# Altium PCB mb1260.PcbDoc (part 3 of 7) (continued)
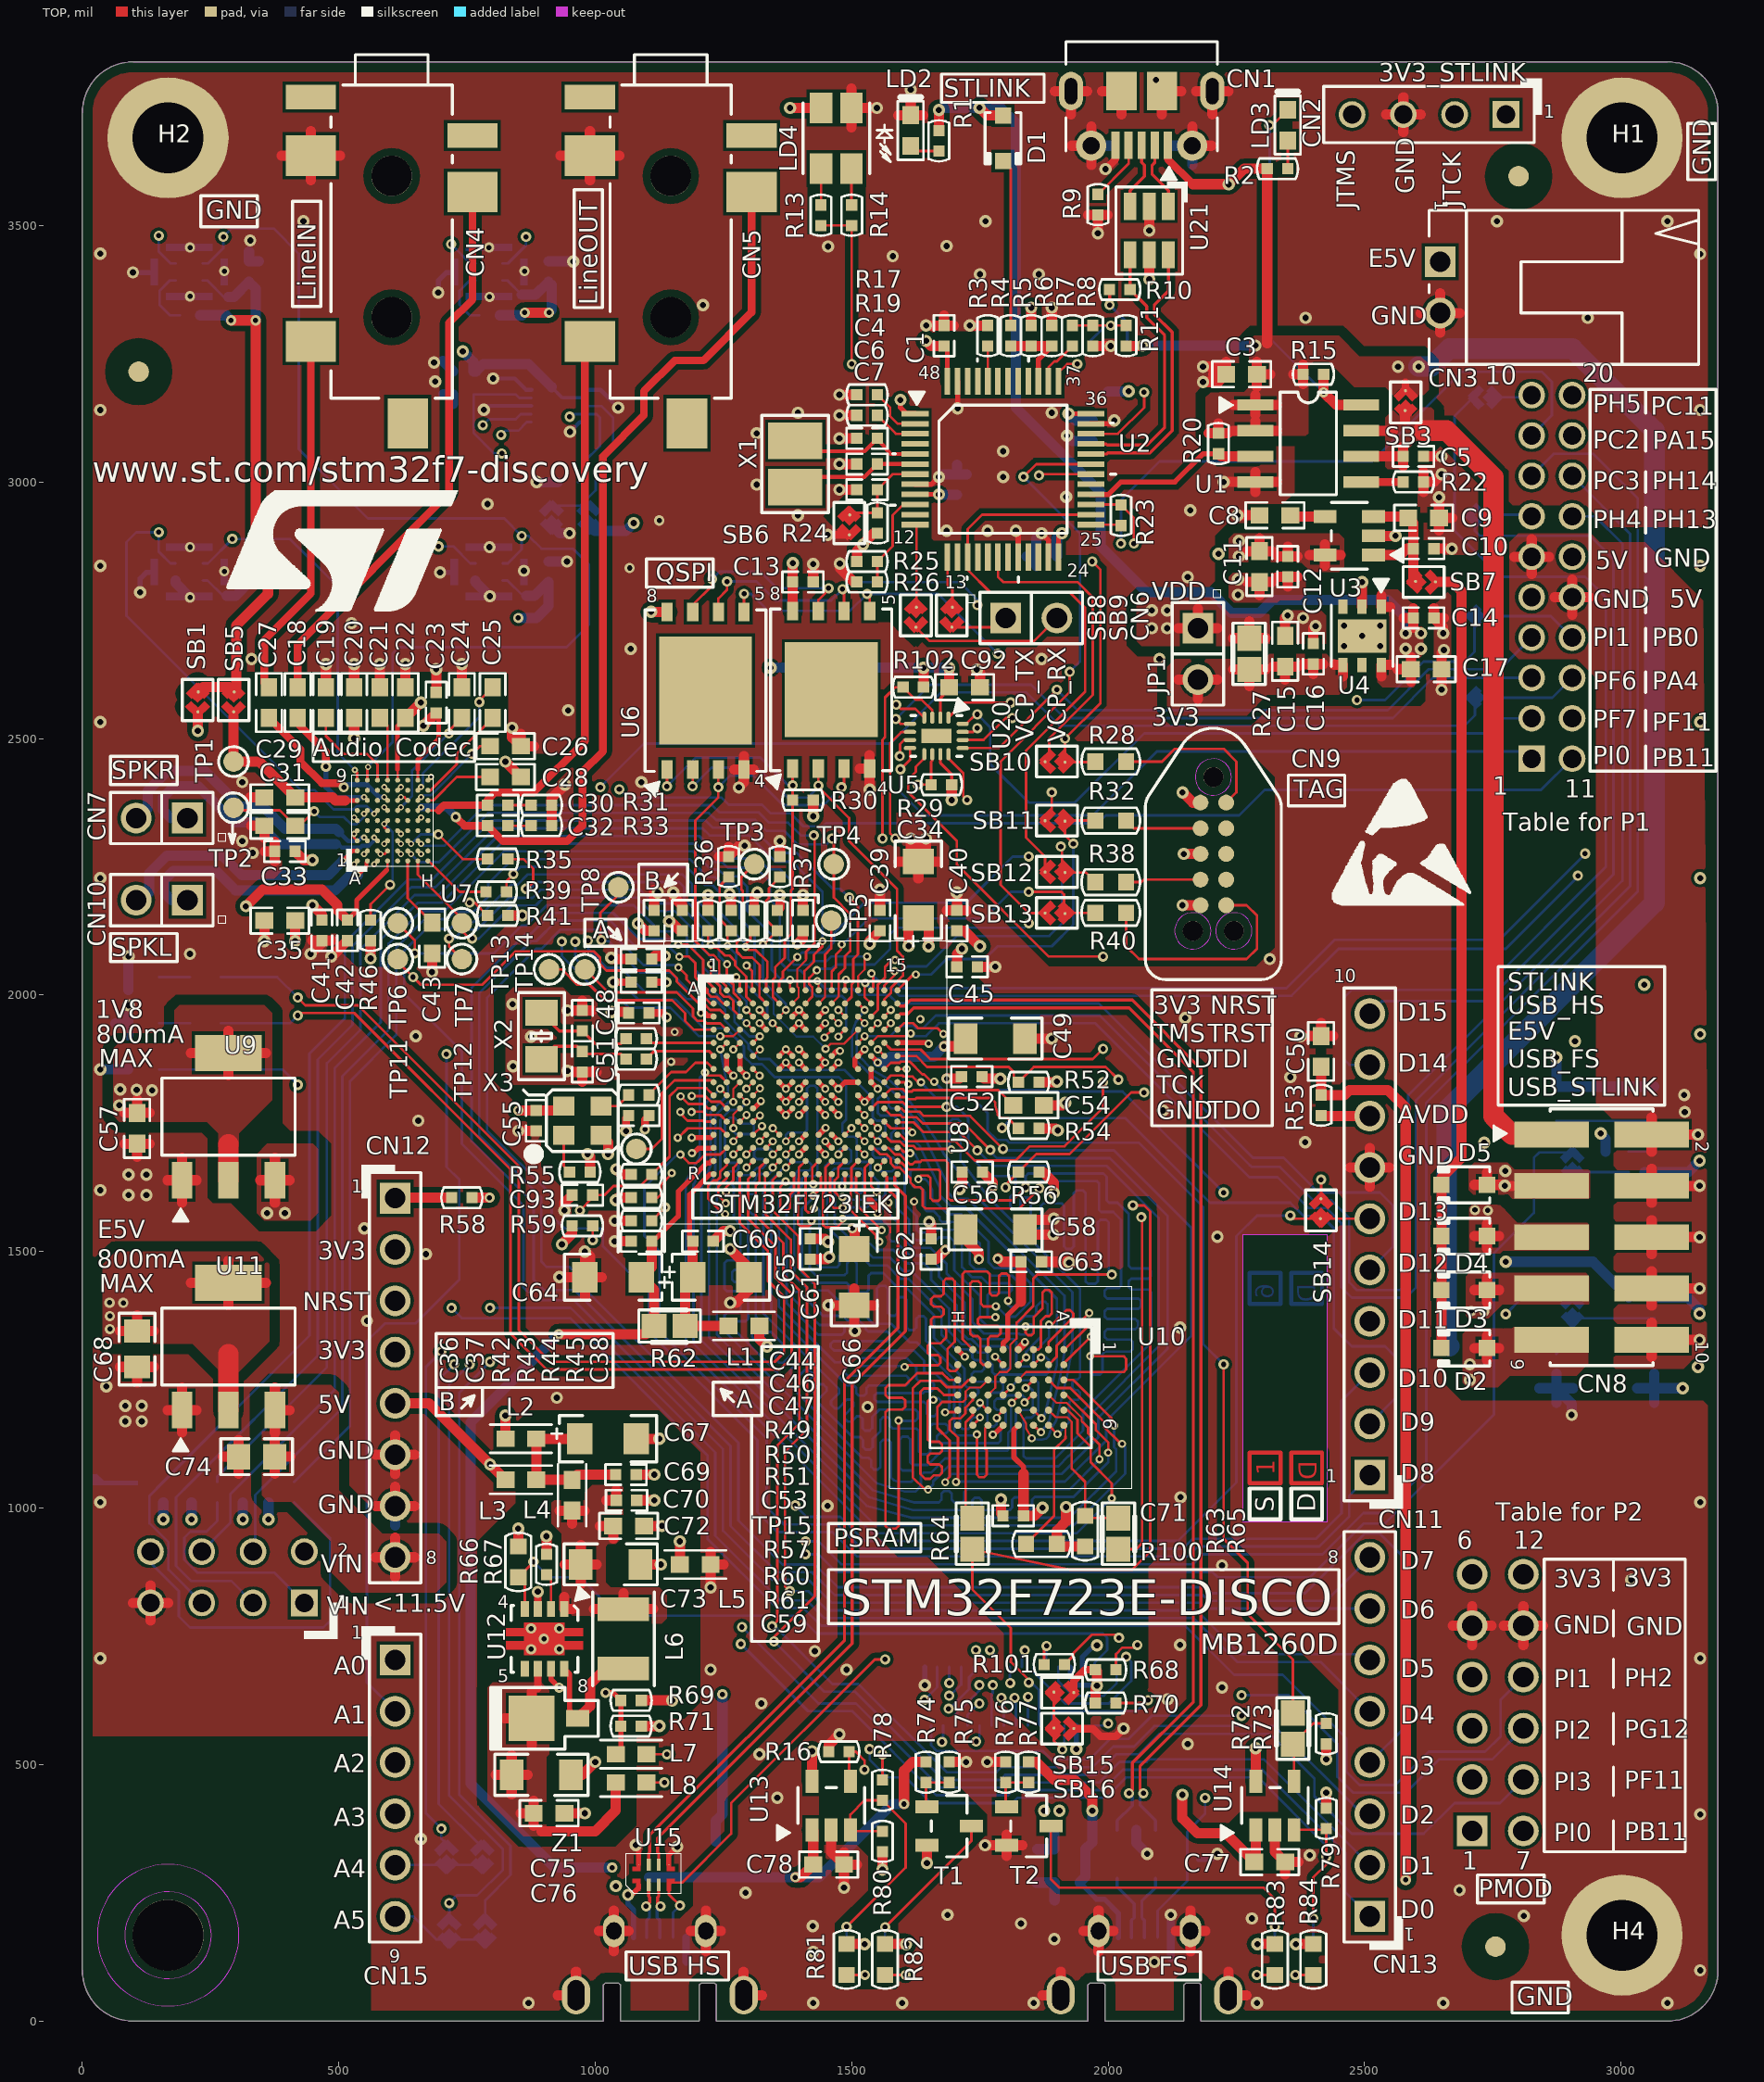
[diagram p0: TOP view]
## Nets (pads, with @x,y where several pads share a name; then routed paths per layer and width w, separated by ;. In a path a pad name is that pad's centre, name@x,y a point inside that pad or via, vN(x,y) a via of type N, cw(c..) or ccw(c..) an arc to the next point about the centre after c; other vN are vias at no path point) (continued)
  other v1: 870,35 1425,35 1598.43,35 1855,35 2290,35 2653.15,35 3090.19,35 3154.01,98.82 2090,115 1425,135 1895,160 1424,185 1830,190 2280,200 2810,205 1687,207 1293,250 2685,255 2393,323 660,355 3154.01,402.97 1355,435 1320,520 2155,540 1324,619 2116,627 2222,650 1225,685 1490,685 35,707.12 3154.01,707.12 1428,721 2140,733 3020,860 2222,888 1453,1004 35,1011.27 3154.01,1011.27 2141,1021 84,1169 116,1169 1531,1197 84,1199 116,1199 925,1215 47,1237 3150,1275 2140,1352 555,1365 670,1495 2213,1529 550,1545 90,1610 125,1610 35,1619.57 90,1650 125,1650 2733,1712 2384,1713 655,1755 2107,1775 2355,1840 946,1852 840,1861 2910,1910 875,1919 650,1920 3154.01,1923.73 2150,1955 839,1982 3045,2020 2315,2070 210,2080 35,2227.88 3154.01,2227.88 332,2277 312,2300 312,2415 1090,2415 35,2532.03 3154.01,2532.03 947,2555 330,2655 1870,2655 2100,2655 1069,2675 2460,2680 2530,2680 2495,2700 2460,2720 2530,2720 525,2725 2380,2735 2253,2780 2253,2810 2155,2815 861,2827 35,2836.18 3154.01,2836.18 794,2873 1685,2905 1765,2905 1395,2935 2160,2945 790.14,2957.06 620,2971 1918,2971 1315,2995 1795,3010 1795,3060 1315,3095 1395,3135 1890,3135 35,3140.33 3154.01,3140.33 687.84,3195.76 685.85,3233.08 2385,3320 2935,3320 1210,3345 1750,3405 1865,3405 1580,3440 3154.01,3444.48 35,3445 1454.06,3459.06 1685,3460 327.42,3470.9 431.19,3508.3 1760.69,3508.3 2757.82,3508.3 3090.19,3508.3 2093.07,3783.89
  other v2: 277,2826 1067,2832.39 210,2873 1125,2925 794,3361 210,3362 277,3411 862,3411 210,3457 793,3457
  other v3: 1571.48,1595.47 1621.44,1597.54 1148,1870 1155,1928 1633.82,1953
LCD-RS_A0: CN17.21 R101.2 | length 79.4
  TOP w5: R101.2@1875,695 1875,726 v2(1880,731)
  BOTTOM w5: CN17.21@1879.02,690.09 1879.02,730.02 v2(1880,731)
LCD_BL: L7.1 U8.L12 | length 2627.5
  TOP w5: L7.1@1100,520 v2(1140,520) ; U8.L12@1512.36,1753.23 v3(1525.22,1740.37)
  L4_SIG w4: v2(1140,520) 1159,501 1502,501 1511,510 1530,510 1569,471 1806,471 1920,585 1961.98,585 2019.98,643 2051.02,643 2120,711.98 2120,1290 2100,1310 2100,1465 1905,1660 1815,1660 1808,1667 1690.83,1667 1641.83,1716 1594.98,1716 1556.61,1754.37 1539.22,1754.37 v3(1525.22,1740.37)
LCD_NE: CN17.22 R70.2 U8.C10 | length 2137
  TOP w4: U8.C10@1461.14,1957.9 v3(1473.97,1945.07)
  TOP w5: R70.2@2015,620 2071.88,620 v2(2077.48,625.6)
  L4_SIG w4: v3(1473.97,1945.07) 1474.04,1945 1474.04,1941 1491,1924.04 1491,1857 1576,1772 1655,1772 1667,1760 1804,1760 1877,1687 1920,1687 2160,1447 2160,1064 2174,1050 2174,665.47 2169,660.47 2111.96,660.47 2077.29,625.79 2077.09,625.6 v2(2077.48,625.6)
  BOTTOM w5: CN17.22@1890.83,575.91 1890.83,595.83 1899,604 2055.88,604 v2(2077.48,625.6)
LCD_PSRAM_D0: CN17.18 U8.M14 U10.B6 | length 2098.1
  TOP w5: U8.M14@1563.54,1727.64 1576.63,1714.55 1594.31,1714.55 1601.86,1707 1602.26,1707 1603.27,1706 1620.01,1706 1626.01,1700 1693,1700 v3(1694,1699) ; U10.B6@1883.82,1161.18 v3(1901,1144)
  L4_SIG w4: v2(1843.58,631.95) 1843.58,633 1848.58,638 1879,638 1884,643 1884,651 1879,656 1866.69,656 1862,660.69 1862,667.31 1866.69,672 1915,672 1943,700 1943,773 1948,778 1992,778 1997,783 1997,983 1992,988 1975,988 1970,993 1970,1050 1951,1069 1951,1123 1956,1128 1966,1128 1971,1133 1971,1212 1966,1217 1926,1217 1921,1212 1921,1204 1926,1199 1951,1199 1956,1194 1956,1185.69 1951.31,1181 1924.69,1181 1920,1176.31 1920,1169.69 1924.69,1165 1952,1165 1957,1160 1957,1149 1952,1144 v3(1901,1144)
  BOTTOM w5: v3(1694,1699) 1691,1702 1691,1753 1696,1758 1707,1758 1712,1753 1712,1678 1766.29,1606.3 1945,1427.59 1945,1255 1940,1250 1935,1250 1930,1245 1930,1235 1935,1230 1940,1230 1945,1225 1945,1215 1941,1211 1929,1211 1924,1206 1924,1167 v3(1901,1144) ; CN17.18@1843.58,575.91 v2(1843.58,631.95)
LCD_PSRAM_D1: CN17.17 U8.L14 U10.C5 | length 2157.7
  TOP w5: U8.L14@1563.54,1753.23 1576.63,1740.14 1614,1740.14 1618,1736.14 v3(1618,1732) ; U10.C5@1854.29,1190.71 v3(1869.85,1175.15)
  L4_SIG w4: v2(1837.53,722.62) 1837.53,736.55 1854.98,754 1861,754 1865,750 1865,740 1855,730 1855,719 1860,714 1906,714 1911,709 1911,704 1916,699 1925,699 1930,704 1930,730 1925,735 1899.98,735 1895,739.98 1895,747.02 1899.98,752 1924,752 1931,759 1931,785 1936,790 1980,790 1985,795 1985,872 1981,876 1943,876 1939,880 1939,888 1943,892 1977.31,892 1982,896.69 1982,903.31 1977.31,908 1943,908 1939,912 1939,920 1943,924 1978.31,924 1983,928.69 1983,935.31 1978.31,940 1943,940 1939,944 1939,952 1943,956 1979,956 1984,961 1984,969 1979,974 1963,974 1958,979 1958,1040 1939,1059 1939,1064.02 ; v3(1869.85,1175.15) 1879,1175.15 1884,1170.15 1884,1134 1889,1129 1934,1129 1939,1124 1939,1073.98 ; 1938.99,1064.03 1938.99,1073.97
  BOTTOM w5: v3(1618,1732) 1614,1728 1604,1728 1600,1732 1600,1768 1589,1779 1577,1779 1572,1784 1572,1798 1567,1803 1556,1803 1551,1798 1551,1770 1556,1765 1582,1765 1587,1760 1587,1740 1577,1730 1577,1719 1582,1714 1624.17,1714 1632.92,1705.25 1640,1690.25 1672,1622.46 1672,1609.2 1693.7,1587.5 1720.28,1587.5 1900,1407.78 1900,1278.77 1875.97,1180.15 1875,1180.15 1870,1175.15 v3(1869.85,1175.15) ; CN17.17@1831.77,690.09 1831.77,713.77 1837.53,719.53 v2(1837.53,722.62)
LCD_PSRAM_D2: CN17.16 U8.B12 U10.C6 | length 2164.5
  TOP w5: U8.B12@1512.36,1983.54 1512.46,1983.54 v3(1525.14,1970.86) ; U10.C6@1854.29,1161.18 1854.82,1161.18 1868,1148 v3(1869,1148)
  L4_SIG w4: v2(1817.48,630) 1826,638.52 1826,679 1831,684 1897.02,684 1902,688.98 1902,696.02 1897.02,701 1825.53,701 1820.53,706 1820.53,736.53 1850,766 1913.08,766 1918,770.92 1918,781 1913,786 1858,786 1853,791 1853,800 1858,805 1965,805 1970,810 1970,820 1965,825 1951,825 1946,830 1946,840 1951,845 1967,845 1972,850 1972,859 1967,864 1931,864 1926,869 1926,958.83 1942,974.83 1942,1038 1926,1054 1926,1111 1921,1116 1877,1116 1872,1121 1872,1145 v3(1869,1148)
  BOTTOM w5: v3(1525.14,1970.86) 1508.24,1947.28 1501,1927 1501,1880 1536,1845 1562.66,1827.8 1588.5,1803.5 1627.26,1751.16 1629.88,1747.34 1687,1631.22 1687,1631 1687.01,1626.79 1687,1615.42 1699.92,1602.5 1726.5,1602.5 1915,1414 1915,1304 1906.27,1256.87 1886.09,1173.36 1880.25,1162.74 v3(1869,1148) ; v2(1817.48,630) 1817.48,625 1819.96,622.52 CN17.16@1819.96,575.91
LCD_PSRAM_D3: CN17.15 U8.C12 U10.D5 | length 2160.4
  TOP w4: U10.D5@1824.76,1190.71 1840,1165 1840,1155 v3@1848.68,1140
  TOP w5: U8.C12@1512.36,1957.95 1525,1945.31 1525,1945.18 v3(1525.09,1945.09) ; v3@1848.68,1140 v3(1851,1136)
  L4_SIG w4: v2(1809,659.09) 1808.53,659.56 1808.53,741.53 1841,774 1841,815 1846,820 1928.31,820 1933,824.69 1933,831.31 1928.31,836 1846,836 1841,841 1841,847 1846,852 1908,852 1913,857 1913,969 1908,974 1857,974 1852,979 1852,1015 1857,1020 1909,1020 1914,1025 1914,1065 1910,1069 1850.69,1069 1846,1073.69 1846,1080.31 1850.69,1085 1910,1085 1914,1089 1914,1098 1909,1103 1851,1103 1846,1108 1846,1131 v3(1851,1136)
  BOTTOM w5: v3(1525.09,1945.09) 1510,1923.35 1510,1885 1543.05,1851.95 1570.61,1836.39 1595.5,1814.5 1601,1809 1635.82,1761.38 1663.37,1719.33 1680.7,1689.09 1729.37,1629.32 1753.5,1597.5 1930,1421 1930,1310 1919.99,1257.08 1899.06,1171.52 1889.5,1154.5 1886.75,1148.25 1884,1140 1879.5,1135.5 1871,1133.12 1862.76,1133.06 v3(1851,1136) ; CN17.15@1808.15,690.09 1808.15,659.94 v2(1809,659.09)
LCD_PSRAM_D4: CN17.14 U8.R8 U10.E5 | length 2071.6
  TOP w5: U8.R8@1410,1650.87 1410,1581 1415,1576 1421,1576 1426,1581 v3(1426,1584) ; v3(1782.71,1175.48) 1782.71,1178.18 U10.E5@1795.24,1190.71
  L4_SIG w4: v3(1782.71,1175.48) 1828,1175.48 1833,1170.48 1833,1059 1838,1054 1897,1054 1902,1049 1902,1037 1897,1032 1840,1032 1835,1027 1835,964 1840,959 1895,959 1900,954 1900,946 1896,942 1861.69,942 1857,937.31 1857,930.69 1861.69,926 1896,926 1900,922 1900,914 1896,910 1834.69,910 1830,905.31 1830,898.69 1834.69,894 1896,894 1900,890 1900,882 1896,878 1834,878 1829,873 1829,779 1792,742 v2(1792,630)
  BOTTOM w5: v3(1426,1584) 1433,1584 1437,1580 1437,1534 1433,1530 1433,1475 1439,1469 1471,1469 1476,1474 1476,1492 1481,1497 1498.78,1497 1511.21,1497.01 1511.56,1497 1535.56,1473 1568.68,1473 1594.68,1447 1610.46,1447 1675,1382.46 1675,1338.22 1675.01,1338.06 1683.79,1329.28 1683.94,1329.28 1690.01,1323.21 1690.01,1323.05 1703.71,1309.35 1726.91,1309.35 1735,1301.26 1735,1300.98 1735.12,1300.86 1735.12,1292.88 1740,1288 1753,1288 1758,1283 1758,1271 1753,1266 1739,1266 1734,1261 1734,1251 1739,1246 1790,1246 1795,1241 1795,1230 1790,1225 1769.5,1225 1764.5,1220 1764.5,1164 1769.5,1159 1777.71,1159 1782.71,1164 v3(1782.71,1175.48) ; v2(1792,630) 1796.34,625.66 CN17.14@1796.34,575.91
LCD_PSRAM_D5: CN17.13 U8.P8 U10.F5 | length 2067.9
  TOP w5: U8.P8@1410,1676.46 1397,1663.46 1397,1642.59 1396.5,1642.09 1396.5,1612.72 1395,1611.22 1395,1554 1400,1549 1416.5,1549 1421.5,1554 v3(1421.5,1560) ; v3(1750,1205) 1764.29,1190.71 U10.F5@1765.71,1190.71
  L4_SIG w4: v3(1750,1205) 1750,1215 1755,1220 1896,1220 1901,1215 1901,1195 1896,1190 1773,1190 1768,1185 1768,1164.62 1773,1159.62 1816,1159.62 1821,1154.62 1821,968 1816,963 1787,963 1782,958 1782,948 1787,943 1840.02,943 1845,938.02 1845,930.98 1840.02,926 1821,926 1816,921 1816,840 1811,835 1787,835 1783,831 1783,823 1787,819 1810,819 1815,814 1815,806 1810,801 1785,801 1780,796 1780,787 1785,782 1797,782 1802,777 1802,769 1797,764 1785,764 1780,759 1780,728 1775,723 v2(1769.53,723)
  BOTTOM w5: v3(1421.5,1560) 1418,1556.5 1418,1465.44 1429.44,1454 1486,1454 1491,1459 1491,1477 1496,1482 1505,1482 1510,1477 1510,1425 1515,1420 1528,1420 1533,1425 1533,1453 1538,1458 1561.46,1458 1587.46,1432 1604.24,1432 1660,1376.24 1660,1332 1720,1272 1720,1240 1725,1235 1742,1235 1747,1230 1747,1224 1742,1219 1726,1219 1721,1214 1721,1197 1726,1192 1745,1192 1750,1197 v3(1750,1205) ; v2(1769.53,723) 1784.53,708 CN17.13@1784.53,690.09
LCD_PSRAM_D6: CN17.12 U8.P9 U10.F6 | length 1944.1
  TOP w5: v3(1425.09,1631) 1423.09,1633 1423.09,1663.96 U8.P9@1435.59,1676.46 ; v3(1744,1143.5) 1744,1065 1749,1060 1758,1060 1763,1065 1763,1113 1760,1116 1760,1155.47 U10.F6@1765.71,1161.18
  L4_SIG w4: v3(1744,1143.5) 1741,1140.5 1741,1128 1746,1123 1755.02,1123 1760,1118.02 1760,1110.98 1755.02,1106 1746,1106 1741,1101 1741,1093 1746,1088 1755,1088 1758,1085 1758,928 1753,923 1717,923 1712,918 1712,909 1716,905 1754,905 1758,901 1758,893 1754,889 1716,889 1712,885 1712,877 1716,873 1754,873 1758,869 1758,861 1754,857 1716,857 1712,853 1712,845 1716,841 1754,841 1758,837 1758,829 1754,825 1716,825 1712,821 1712,724 1730,706 1774,706 1779,701 1779,659 v2(1775,655)
  BOTTOM w5: v3(1425.09,1631) 1425.09,1629.6 1410.5,1615.01 1410.5,1613.94 1388,1591.44 1388,1453 1417.01,1423.99 1454.23,1423.99 1498.22,1380 1508.78,1380 1521.21,1380.01 1542.22,1359 1577,1359 1613,1323 1626.56,1323 1700,1249.56 1700,1146.5 1705,1141.5 1742,1141.5 v3(1744,1143.5) ; CN17.12@1772.72,575.91 1772.72,636.72 1775,639 v2(1775,655)
LCD_PSRAM_D7: CN17.11 U8.R9 U10.G6 | length 2131.4
  TOP w5: v3(1425,1609) 1439.68,1623.68 1439.68,1646.78 U8.R9@1435.59,1650.87 ; U10.G6@1736.18,1161.18 1750,1175 v3(1750,1176.74)
  L4_SIG w4: v2(1742,723) 1730,723 1725,728 1725,736 1730,741 1760,741 1765,746 1765,755 1760,760 1730,760 1725,765 1725,772 1730,777 1761.02,777 1766,781.98 1766,789.02 1761.02,794 1728.98,794 1724,798.98 1724,806.02 1728.98,811 1765,811 1770,816 1770,824.02 ; v3(1750,1176.74) 1750,1165 1760,1155 1760,1138 1769,1129 1803,1129 1808,1124 1808,1113 1803,1108 1774.69,1108 1770,1103.31 1770,1096.69 1774.69,1092 1804.31,1092 1809,1087.31 1809,1080.69 1804.31,1076 1776.69,1076 1772,1071.31 1772,1064.69 1776.69,1060 1804.31,1060 1809,1055.31 1809,1048.69 1804.31,1044 1776,1044 1771,1039 1771,1000 1776,995 1804.31,995 1809,990.31 1809,983.69 1804.31,979 1774,979 1770,975 1770,935 1774,931 1796.31,931 1801,926.31 1801,919.69 1796.31,915 1774,915 1770,911 1770,903 1774,899 1797.31,899 1802,894.31 1802,887.69 1797.31,883 1774,883 1770,879 1770,871 1774,867 1797.31,867 1802,862.31 1802,855.69 1797.31,851 1774,851 1770,847 1770,833.98 ; 1770.01,824.03 1770.01,833.97
  BOTTOM w5: v3(1425,1609) 1425,1605 1403,1583 1403,1459.22 1423.22,1439 1490,1439 1495,1434 1495,1410 1500,1405 1521,1405 1526,1400 1526,1396.44 1532.44,1390 1544,1390 1549,1395 1549,1428 1554,1433 1565.24,1433 1571,1427.24 1571,1380 1576,1375 1584,1375 1589,1380 1589,1406 1594,1411 1602.01,1411 1607.01,1406 1607.01,1352 1612.01,1347 1621,1347 1626,1352 1626,1369 1631,1374 1640,1374 1645,1369 1645,1338.22 1644.99,1325.79 1711,1259.78 1711,1159 1716,1154 1727,1154 1732,1159 1732,1171.74 1737,1176.74 v3(1750,1176.74) ; v2(1742,723) 1760.91,704.09 CN17.11@1760.91,690.09
LCD_PSRAM_D8: CN17.10 U8.P10 U10.B1 | length 2067
  TOP w5: U8.P10@1461.18,1676.46 1448.68,1663.96 1448.68,1619.95 1444,1615.27 1444,1552.25 1448.75,1547.5 1471.64,1547.5 1482.5,1558.36 v3(1482.5,1564) ; U10.B1@1883.82,1308.82 1883.82,1323.82 1931.96,1371.96 1931.96,1379.04 1925.54,1385.46 1918.46,1385.46 1890.36,1357.36 v3(1884.5,1357.36)
  L4_SIG w4: v2(1742.49,544.95) 1826.95,544.95 1998,716 1998,748 2003.98,753.98 2022,772.02 2022,1109 2020.85,1110.15 2020.78,1110.15 2012,1118.93 2012,1119 1996,1135 1996,1237 1884.5,1348.5 v3(1884.5,1357.36)
  BOTTOM w5: v3(1482.5,1564) 1482.5,1565 1487.5,1570 1507.65,1570 1519.65,1558 1564.79,1558 1574.13,1548.66 1574.13,1523.22 1577.55,1519.8 1585.54,1519.8 1613.34,1492 1647.53,1492 1670,1469.53 1670,1451.12 1720,1401.12 1720,1358.78 ; 1720.01,1358.77 1720.01,1356.34 1747.08,1329.27 1815.73,1329.27 1821,1324 1821,1281 1826,1276 1849.5,1276 1854.5,1281 1854.5,1302.58 1884.5,1332.58 v3(1884.5,1357.36) ; v2(1742.49,544.95) 1749.09,551.55 CN17.10@1749.09,575.91
LCD_PSRAM_D9: CN17.9 U8.R10 U10.C1 | length 1904
  TOP w5: U8.R10@1461.18,1650.87 1457.68,1647.37 1457.68,1612.54 1459,1611.22 1459,1591 1465,1585 v3(1482.5,1585) ; v3(1839,1354) 1839,1341.69 1843.69,1337 1850.31,1337 1855,1341.69 1855,1372 1872,1389 1872,1420 1877,1425 1885,1425 1890,1420 1890,1379 1885,1374 1878,1374 1869,1365 1869,1313.82 1864,1308.82 U10.C1@1854.29,1308.82
  L4_SIG w4: v2(1689,609) 1697,617 1697.05,617 1723,642.95 1723,674 1687,710 1687,979 1692,984 1726,984 1731,989 1731,1068 1717,1082 1717,1221 1761,1265 1761,1297 1818,1354 v3(1839,1354)
  BOTTOM w5: v3(1482.5,1585) 1483.5,1586 1530.22,1586 1534.69,1590.47 1555.92,1590.47 1589.13,1557.26 1589.13,1537.43 1619.56,1507 1653.75,1507 1685,1475.75 1685,1457.34 1735,1407.34 1735,1365 1735.01,1362.56 1757.57,1340 1826.1,1340 1828,1338.1 1849,1338.1 1854,1343.1 1854,1353 1849,1358 1843,1358 v3(1839,1354) ; v2(1689,609) 1691,609 1729,647 1729,670 1737.28,678.28 CN17.9@1737.28,690.09
LCD_PSRAM_D10: CN17.8 U8.N11 U10.C2 | length 2042
  TOP w5: v3(1474.04,1689.32) U8.N11@1486.77,1702.05 ; U10.C2@1854.29,1279.29 1868.58,1293.58 v3(1869,1293.58)
  L4_SIG w4: v2(1749,619) 1749,602 1756,595 1860,595 1958.5,693.5 1958.5,761 1963.5,766 1999,766 2010,777 2010,996 2005,1001 1990,1001 1985,1006 1985,1051.86 1990,1056.86 2006,1056.86 2010,1060.86 2010,1068.86 2006,1072.86 1968,1072.86 1964,1076.86 1964,1110 1969,1115 1979,1115 1984,1120 1984,1232 1922.42,1293.58 v3(1869,1293.58)
  BOTTOM w5: v3(1474.04,1689.32) 1474.04,1696 1479.04,1701 1494,1701 1499,1696 1499,1677 1494,1672 1454,1672 1449,1667 1449,1613 1452,1610 1452,1548.58 1487.58,1513 1487.8,1512.8 1516.98,1512.8 1541.78,1488 1574.9,1488 1600.9,1462 1616.68,1462 1690,1388.68 1690,1346.34 1690.01,1343.9 1714.41,1319.5 1729.5,1319.5 1746,1303 1762,1303 1765.18,1299.82 1765.18,1288.84 1774,1280.02 1774,1265 1779,1260 1879,1260 1884,1265 1884,1288.58 1879,1293.58 v3(1869,1293.58) ; CN17.8@1725.47,575.91 1725.47,596.47 1748,619 v2(1749,619)
LCD_PSRAM_D11: CN17.7 U8.P11 U10.D2 | length 2072.4
  TOP w5: v3(1482.1,1606.05) 1476.95,1606.05 1466.68,1616.32 1466.68,1638.69 1473.68,1645.69 1473.68,1663.37 U8.P11@1486.77,1676.46 ; U10.D2@1824.76,1279.29 1838.97,1293.5 v3(1840,1293.5)
  L4_SIG w4: v2(1690,634) 1708,652 1708,670 1675,703 1675,992 1680,997 1713.31,997 1718,1001.69 1718,1010 1713,1015 1684,1015 1679,1020 1679,1028 1684,1033 1714,1033 1719,1038 1719,1063 1714,1068 1682,1068 1677,1073 1677,1154 1682,1159 1700,1159 1705,1164 1705,1229 1746,1270 1746,1299 1818,1371 1845,1371 1856,1360 1856,1311.34 1840,1295.34 v3(1840,1293.5)
  BOTTOM w5: v3(1482.1,1606.05) 1487.15,1601 1554.51,1601 1565.23,1611.72 1565.23,1637.33 1570.23,1642.33 1583.23,1642.33 1586.95,1638.61 1586.95,1601.77 1587.23,1601.49 1587.23,1586.41 1612,1561.64 1612,1535.78 1625.78,1522 1664.31,1522 1669.8,1527.49 1691.51,1527.49 1700,1519 1700,1463.56 1750,1413.56 1750,1368.79 1763.79,1355 1818.78,1355 1837.77,1373.99 1841.21,1373.99 1854.97,1374 1859.97,1379 1859.97,1392.75 1869.61,1402.39 1876.7,1402.39 1881.7,1397.39 1881.7,1376.7 1869,1364 1869,1333.71 1840,1304.71 v3(1840,1293.5) ; v2(1690,634) 1692,634 1713.66,655.66 CN17.7@1713.66,690.09
LCD_PSRAM_D12: CN17.6 U8.R11 U10.E2 | length 2051.3
  TOP w5: v3(1481.35,1627.04) 1486.77,1632.46 U8.R11@1486.77,1650.87 ; v3(1779.68,1294.85) U10.E2@1795.24,1279.29
  L4_SIG w4: v2(1749,655) 1741,655 1736,660 1736,669 1741,674 1760,674 1765,679 1765,689 1760,694 1724,694 1699,719 1699,931 1704,936 1741,936 1746,941 1746,949 1741,954 1704,954 1699,959 1699,967 1704,972 1739,972 1744,977 1744,1072 1729,1087 1729,1213 1757,1241 1792,1241 1797,1246 1797,1255 1792,1260 1778.98,1260 1774,1264.98 1774,1272.02 1778.98,1277 1818,1277 1823,1282 1823,1316 1818,1321 1809,1321 1804,1316 1804,1299.85 1799,1294.85 v3(1779.68,1294.85)
  BOTTOM w5: v3(1481.35,1627.04) 1481.35,1642 1486.35,1647 1498,1647 1503,1642 1503,1619 1508,1614 1518,1614 1523,1619 1523,1656.55 1518,1661.55 1467,1661.55 1462,1656.55 1462,1620 1467,1615 1467,1554.8 1494,1527.8 1523.2,1527.8 1548,1503 1581.12,1503 1607.12,1477 1641.31,1477 1655,1463.31 1655,1444.9 1705,1394.9 1705,1350.13 1725.86,1329.27 1733.73,1329.27 1748,1315 1803,1315 1809,1309 1809,1275 1804,1270 1794,1270 1789,1275 1789,1289.85 1784,1294.85 v3(1779.68,1294.85) ; CN17.6@1701.85,575.91 1701.85,596.85 1749,644 v2(1749,655)
LCD_PSRAM_D13: CN17.5 U8.P15 U10.F2 | length 1837.2
  TOP w5: U8.P15@1589.13,1676.46 1592.63,1672.96 1597.45,1672.96 1610.7,1659.71 1668.69,1659.71 1672.53,1655.87 1672.53,1602.84 1668.69,1599 1658.61,1599 1653.61,1604 1653.61,1643 1648.61,1648 1635,1648 1630,1643 v3(1630,1641) ; U10.F2@1765.71,1279.29 1756,1279.29 1751,1284.29 1751,1330 1746,1335 1736,1335 1731,1340 1731,1438 1735,1442 1747,1442 1752,1437 1752,1398 1757,1393 v3(1781,1393)
  L4_SIG w4: v2(1690.04,659) 1690.04,667.96 1662,696 1662,1027.78 1664,1029.78 1664,1166 1669,1171 1691,1171 1696,1176 1696,1236 1735,1275 1735,1306 1798,1369 1798,1385 1790,1393 v3(1781,1393)
  BOTTOM w5: v3(1630,1641) 1643,1641 1649.93,1634.07 1657,1619.09 1657,1602.98 1687.48,1572.5 1714.06,1572.5 1767,1519.56 1767,1479 1767.18,1478.82 1767.18,1478.43 1777.43,1468.18 1777.82,1468.18 1778,1468 1818.56,1468 1849,1437.56 1849,1403 1819,1373 1803,1373 1783,1393 v3(1781,1393) ; v2(1690.04,659) CN17.5@1690.04,690.09
LCD_PSRAM_D14: CN17.4 U8.P14 U10.F1 | length 1877.4
  TOP w5: v3(1550.74,1663.54) 1550.74,1663.66 U8.P14@1563.54,1676.46 ; U10.F1@1765.71,1308.82 1765.71,1330 1770.71,1335 1785,1335 1790,1340 1790,1350 1785,1355 1751,1355 1746,1360 1746,1368 1750,1372 v3(1780,1372)
  L4_SIG w4: v2(1676,544) 1659,561 1659,626 1663,630 1663,673 1658,678 1638,678 1633,683 1633,692 1637,696 1643.31,696 1648.31,701 1648.31,707 1643.31,712 1637,712 1633,716 1633,1043 1651,1061 1651,1180 1676,1205 1676,1247 1701,1272 1701,1298 1775,1372 v3(1780,1372)
  BOTTOM w5: v3(1550.74,1663.54) 1550.74,1663 1557.74,1656 1578,1656 1587,1665 1587,1677 1581,1683 1545.98,1683 1541,1687.98 1541,1695.02 1545.98,1700 1594.99,1700 1599.5,1695.49 1599.5,1685.49 1607.99,1677 1608,1667.01 1603.34,1662.35 1603.34,1592.31 1627,1568.65 1627,1542 1632,1537 1658.09,1537 1663.58,1542.49 1701.63,1542.49 1715,1529.12 1715,1469.78 1734.78,1450 1753.17,1450 1764.99,1438.18 1765.38,1438.18 1765.56,1438 1806.12,1438 1812,1432.12 1812,1425 1807,1420 1770,1420 1765.01,1415.01 1765.01,1375 1770.01,1370 1778,1370 v3(1780,1372) ; v2(1676,544) 1678.23,546.23 CN17.4@1678.23,575.91
LCD_PSRAM_D15: CN17.3 U8.N15 U10.G1 | length 1883.9
  TOP w5: U8.N15@1589.13,1702.05 1593.95,1702.05 1602,1694 1611.65,1694 1614,1691.65 v3(1614,1691.5) ; U10.G1@1736.18,1308.82 1716,1329 1716,1456 1721,1461 1764,1461 1769,1456 1769,1419 1774,1414 1782,1414 1787,1419 1787,1452 1792,1457 1802,1457 1807,1452 1807,1406 v3(1805,1404)
  L4_SIG w4: v2(1642,626) 1629,639 1621,656 1621,1050 1641.02,1206.64 1653.25,1247.5 1675,1284.13 1699.78,1325.86 1716.3,1344.28 1760,1393 1766,1399 1766,1399.22 1774.78,1408 1801,1408 v3(1805,1404)
  BOTTOM w5: v3(1614,1691.5) 1621,1691.5 1624.45,1688.05 1631.63,1672.83 1631.63,1664.63 1627,1660 1619,1660 1614,1655 1614,1633 1621.5,1625.5 1633.5,1625.5 1640.84,1618.16 1641.73,1616.27 1642,1615.7 1642,1583 1646,1579 1659.76,1579 1671.38,1567.38 1671.38,1562.62 1676.51,1557.49 1693.69,1557.49 1707.84,1557.5 1730,1535.34 1730,1527 1736,1521 1744.34,1521 1750,1515.34 1750,1508 1745,1503 1735,1503 1730,1498 1730,1476 1741,1465 1759.39,1465 1771.21,1453.18 1771.6,1453.18 1771.78,1453 1812.34,1453 1834,1431.34 1834,1409.22 1816.78,1392 1809,1392 1805,1396 v3(1805,1404) ; v2(1642,626) 1642,626.42 1666.42,650.84 CN17.3@1666.42,690.09
LCD_PSRAM_NOE: CN17.19 U8.D10 U10.A2 | length 2232.9
  TOP w5: v3(1447,1917) 1447,1918.18 U8.D10@1461.18,1932.36 ; U10.A2@1913.35,1279.29 1913.35,1281.35 v3(1966,1334)
  L4_SIG w4: v3(1447,1917) 1447,1916.91 1433,1902.91 1433,1684.75 1447.75,1670 1490,1670 1530,1630 1575.93,1630 1598.73,1607.2 1598.73,1554.65 1628,1525.38 1628,1525.28 1629.49,1523.79 1629.49,1469.49 1633.98,1465 1705.41,1465 1709.41,1469 1709.41,1484.17 1714.1,1488.86 1720.72,1488.86 1725.41,1484.17 1725.41,1469 1729.41,1465 1809.46,1465 1813.46,1469 1813.46,1473.31 1818.15,1478 1824.77,1478 1829.46,1473.31 1829.46,1469 1833.46,1465 1866.98,1465 1885.98,1446 1971,1446 2020,1397 2020,1346 2015,1341 1971,1341 1966,1336 v3(1966,1334) 1966,1318 2055,1229 2055,755 2050,750 2049.95,750 2040,740.05 2040,740 2039,739 2039,714 v2(2035,710)
  BOTTOM w5: CN17.19@1855.39,690.09 1855.39,679.61 1916,619 2001.03,619 2045,662.97 2045,700 v2(2035,710)
LCD_PSRAM_NWE: CN17.20 R64.1 U8.C11 | length 2255.5
  TOP w5: v3(1474.04,1970.68) U8.C11@1486.77,1957.95 ; v2(1845,659.74) 1845,665 1810,700 1810,766.02 1735,841.02 R64.1@1735,919.49 1925,880 2047,880 2082,915 2082,1578 2070,1590 v2(2048,1590)
  L4_SIG w4: v3(1474.04,1970.68) 1482.86,1961.86 1499,1931 1499,1882 1539,1842 1560.5,1829.5 1591.09,1798.91 1788.09,1798.91 1888,1699 1946,1699 2048,1597 v2(2048,1590)
  BOTTOM w5: v2(1845,659.74) 1850.26,659.74 1865,645 1865,578.12 CN17.20@1867.21,575.91
LCD_RST: CN17.23 R68.2 U8.N12 | length 1694.1
  TOP w5: U8.N12@1512.36,1702.05 v3(1525.22,1689.19) ; R68.2@2015,685 2015,715 2028,728 2052,728 v2(2057,733)
  L4_SIG w4: v3(1525.22,1689.19) 1528.41,1686 1559.27,1686 1586.99,1658.26 1625.36,1658.26 1626.36,1659.26 1647.63,1659.26 1676.04,1630.85 1676.04,1608.84 1761.88,1523 1830,1523 1894,1459 1976,1459 2045,1390 2045,1272 2067,1250 2067,743 v2(2057,733)
  BOTTOM w5: CN17.23@1902.64,690.09 1902.64,662.36 1931,634 1991.93,634 2016.56,658.63 2016.56,716.56 2028,728 2052,728 v2(2057,733)
LCD_TE_INT: CN17.2 U8.G14 | length 2518.7
  TOP w5: U8.G14@1563.54,1855.59 1576.04,1868.09 1593.72,1868.09 1595.72,1870.09 1613.14,1870.09 1637.73,1845.5 1641.43,1845.5 1655.93,1831 v3(1661,1831)
  L4_SIG w4: v2(2225,1615) 2235,1605 2235,1365 2260,1340 2260,940 2285,915 2285,620 v2(2260,595)
  BOTTOM w5: CN17.2@1654.61,575.91 1654.61,537.58 1665.69,526.5 1872.73,526.5 1889.23,510 1963.78,510 2003.78,550 2040,550 2085,595 v2(2260,595) ; v3(1661,1831) 1677,1815 1875,1815 1878,1812 1891.9,1812 1908.08,1811.98 2028,1812 v2(2225,1615)
LED_STLINK: R13.1 R14.1 U2.30 | length 890.2
  TOP w5: R13.1@1440,3500 R14.1@1500,3500 v2(1500,3230) ; v2(1865,3012.69) 1867.47,3015.16 U2.30@1966.26,3015.16
  L4_SIG w4: v2(1500,3230) 1500,3225 1650,3075 1715,3075 1760,3030 1847.69,3030 v2(1865,3012.69)
LEDA: CN17.28 L8.2 | length 1045
  TOP w5: L8.2@1100,465 v2(1135,465)
  L4_SIG w4: v2(1135,465) 1156,486 1503,486 1544,445 1830,445 1895,510 1970,510 2000,540 v2(2000,580)
  BOTTOM w5: CN17.28@1961.69,575.91 1995.91,575.91 v2(2000,580)
LEDK: CN17.29 R66.2 U12.4 | length 1356.2
  TOP w5: U12.4@862.61,803.07 862.61,852.39 R66.2@850,865 879.54,894.54 v2(879.54,895)
  BOTTOM w5: v2(879.54,895) 880,895 910,865 970,865 1045,790 1397,790 1431.5,755.5 1989.5,755.5 1998,747 1998,723 1973.5,698.5 CN17.29@1973.5,690.09
MIC_VDD1: C29.2 SB5.1 TP1.1 U7.A7 | length 369.1
  TOP w5: 295,2543 SB5.1@295,2551.66
  TOP w9: 512,2379.37 U7.A7@536.1,2379.37
  TOP w20: 295,2543 TP1.1@295,2455 345,2455 C29.2@415,2385 488,2385 493.63,2379.37 512,2379.37
MIC_VDD2: C31.2 TP2.1 U7.B6 | length 311.8
  TOP w5: TP2.1@295,2365 300,2360 385,2360 C31.2@415,2330 424,2330 v2(452,2358) ; v4(549.48,2353.39) U7.B6@555.79,2359.69
  BOTTOM w5: v2(452,2358) 463,2347 510,2347 524,2333 535,2333 549.48,2347.48 v4(549.48,2353.39)
NC1: TP3.1 U8.B5 | length 322.8
  TOP w5: TP3.1@1310,2255 1285,2230 1285,2205.82 1287.5,2203.32 1287.5,2114.5 1276,2103 1276,2084.15 1287.15,2073 1305.93,2073 1320.73,2058.2 1320.73,2033.78 1320.14,2033.19 1320.14,1996.63 U8.B5@1333.23,1983.54
NC4: TP5.1 U8.B9 | length 171.6
  TOP w4: U8.B9@1435.59,1983.54 1448,1995.95 1448,2054
  TOP w5: 1448,2054 1448,2078.74 1460,2090.74 TP5.1@1460,2145
NC8: TP14.1 U8.D2 | length 333.8
  TOP w5: TP14.1@980,2050 1025,2005 1158.78,2005 1190.5,1973.28 1190.5,1958.57 1199.57,1949.5 1212.96,1949.5 1217.6,1944.86 1243.96,1944.86 U8.D2@1256.46,1932.36
NC10: TP8.1 U8.E4 | length 533.9
  TOP w5: v2(1012,2107) 1010,2109 1010,2160 1045,2195 TP8.1@1045,2210 ; U8.E4@1307.64,1906.77 1320.24,1919.37 v3(1320.75,1919.37)
  BOTTOM w5: v2(1012,2107) 1014,2105 1026.18,2105 1087.56,2043.62 1147.38,2043.62 1184,2007 1231,2007 1271.28,1966.72 1271.28,1948.33 1300.24,1919.37 v3(1320.75,1919.37)
NC11: TP13.1 U8.D1 | length 378.4
  TOP w5: TP13.1@910,2050 935,2050 965,2020 988.78,2020 1018.78,1990 1150,1990 1175.5,1964.5 1175.5,1949.5 1192.64,1932.36 U8.D1@1230.87,1932.36
NETB1_2: B1.2 B1.4 R89.2 R90.2 | length 300.7
  BOTTOM w5: B1.2@2873.53,1754.54 B1.4@3064.47,1754.54 3064.47,1695.53 R89.2@3065,1695 R90.2@3015,1695
NETB2_1: B2.1 B2.3 C87.2 R91.1 SB34.2 | length 311.2
  BOTTOM w5: B2.1@2873.53,1300.46 2906.19,1333.12 SB34.2@2906.19,1369.17 2907.02,1370 R91.1@3015,1370 C87.2@3065,1370 3065,1300.99 B2.3@3064.47,1300.46
NETC8_2: C8.2 U3.4 | length 68.8
  TOP w20: C8.2@2355,2935 2357.6,2932.4 U3.4@2422.76,2932.4
NETC9_2: C9.2 C10.2 SB7.2 U3.1 U3.3 | length 280.8
  TOP w20: U3.1@2517.24,2857.6 2570,2857.6 2582.4,2870 C10.2@2595,2870 ; U3.3@2517.24,2932.4 2582.6,2932.4 C9.2@2585,2930 2595,2920 C10.2@2595,2870 ; 2595,2805 C10.2@2595,2870
NETC18_1: C18.1 U7.B7 | length 249.7
  TOP w5: v4(549.49,2385.67) U7.B7@555.79,2379.37
  TOP w15: C18.1@420,2540 420,2529 475,2474 v2(475,2445)
  BOTTOM w10: v2(475,2445) 475,2405 495,2385 548.82,2385 v4(549.49,2385.67)

## Text inside footprints (layer, text, board x,y; h text height)
TP6: LIB_UNEVALUATED "Approved" at 757,2125 h35; LIB_UNEVALUATED "Remark: ***" at 489,2207 h25; LIB_UNEVALUATED "Rev   : A3" at 489,2247 h25; LIB_UNEVALUATED "Date  : 2009-07-07" at 489,2287 h25; LIB_UNEVALUATED "Ref PN: ***" at 489,2367 h25; LIB_UNEVALUATED "Sofer Lib Information" at 459,2417 h25; LIB_UNEVALUATED "Creat : Sofer Tech" at 489,2327 h25; LIB_UNEVALUATED "1" at 621.4,2140 h16
TP7: LIB_UNEVALUATED "Approved" at 882,2125 h35; LIB_UNEVALUATED "Remark: ***" at 614,2207 h25; LIB_UNEVALUATED "Rev   : A3" at 614,2247 h25; LIB_UNEVALUATED "Date  : 2009-07-07" at 614,2287 h25; LIB_UNEVALUATED "Ref PN: ***" at 614,2367 h25; LIB_UNEVALUATED "Sofer Lib Information" at 584,2417 h25; LIB_UNEVALUATED "Creat : Sofer Tech" at 614,2327 h25; LIB_UNEVALUATED "1" at 746.4,2140 h16
TP8: LIB_UNEVALUATED "1" at 1051.4,2210 h16; LIB_UNEVALUATED "Creat : Sofer Tech" at 919,2397 h25; LIB_UNEVALUATED "Sofer Lib Information" at 889,2487 h25; LIB_UNEVALUATED "Ref PN: ***" at 919,2437 h25; LIB_UNEVALUATED "Date  : 2009-07-07" at 919,2357 h25; LIB_UNEVALUATED "Rev   : A3" at 919,2317 h25; LIB_UNEVALUATED "Remark: ***" at 919,2277 h25; LIB_UNEVALUATED "Approved" at 1187,2195 h35
TP11: LIB_UNEVALUATED "1" at 621.4,2070 h16; LIB_UNEVALUATED "Creat : Sofer Tech" at 489,2257 h25; LIB_UNEVALUATED "Sofer Lib Information" at 459,2347 h25; LIB_UNEVALUATED "Ref PN: ***" at 489,2297 h25; LIB_UNEVALUATED "Date  : 2009-07-07" at 489,2217 h25; LIB_UNEVALUATED "Rev   : A3" at 489,2177 h25; LIB_UNEVALUATED "Remark: ***" at 489,2137 h25; LIB_UNEVALUATED "Approved" at 757,2055 h35
TP12: LIB_UNEVALUATED "Approved" at 882,2055 h35; LIB_UNEVALUATED "Remark: ***" at 614,2137 h25; LIB_UNEVALUATED "Rev   : A3" at 614,2177 h25; LIB_UNEVALUATED "Date  : 2009-07-07" at 614,2217 h25; LIB_UNEVALUATED "Ref PN: ***" at 614,2297 h25; LIB_UNEVALUATED "Sofer Lib Information" at 584,2347 h25; LIB_UNEVALUATED "Creat : Sofer Tech" at 614,2257 h25; LIB_UNEVALUATED "1" at 746.4,2070 h16
TP13: LIB_UNEVALUATED "Approved" at 1052,2035 h35; LIB_UNEVALUATED "Remark: ***" at 784,2117 h25; LIB_UNEVALUATED "Rev   : A3" at 784,2157 h25; LIB_UNEVALUATED "Date  : 2009-07-07" at 784,2197 h25; LIB_UNEVALUATED "Ref PN: ***" at 784,2277 h25; LIB_UNEVALUATED "Sofer Lib Information" at 754,2327 h25; LIB_UNEVALUATED "Creat : Sofer Tech" at 784,2237 h25; LIB_UNEVALUATED "1" at 916.4,2050 h16
TP14: LIB_UNEVALUATED "1" at 986.4,2050 h16; LIB_UNEVALUATED "Creat : Sofer Tech" at 854,2237 h25; LIB_UNEVALUATED "Sofer Lib Information" at 824,2327 h25; LIB_UNEVALUATED "Ref PN: ***" at 854,2277 h25; LIB_UNEVALUATED "Date  : 2009-07-07" at 854,2197 h25; LIB_UNEVALUATED "Rev   : A3" at 854,2157 h25; LIB_UNEVALUATED "Remark: ***" at 854,2117 h25; LIB_UNEVALUATED "Approved" at 1122,2035 h35
TP15: LIB_UNEVALUATED "1" at 1086.4,1700 h16; LIB_UNEVALUATED "Creat : Sofer Tech" at 954,1887 h25; LIB_UNEVALUATED "Sofer Lib Information" at 924,1977 h25; LIB_UNEVALUATED "Ref PN: ***" at 954,1927 h25; LIB_UNEVALUATED "Date  : 2009-07-07" at 954,1847 h25; LIB_UNEVALUATED "Rev   : A3" at 954,1807 h25; LIB_UNEVALUATED "Remark: ***" at 954,1767 h25; LIB_UNEVALUATED "Approved" at 1222,1685 h35
U1: LIB_UNEVALUATED "6" at 2367,2916 h16 r270; LIB_UNEVALUATED "4.9" at 2167,3093 h16 r270; LIB_UNEVALUATED "1.27" at 2202,2994 h16 r270; LIB_UNEVALUATED "SOIC8_1R27_4R9X6" at 1918,3050 h30 r270; LIB_UNEVALUATED "Approved" at 2273,3070 h35 r270; LIB_UNEVALUATED "Remark: ADD INSIDE PAD LENGTH" at 2575,3270 h25 r270; LIB_UNEVALUATED "Rev   : C1" at 2615,3270 h25 r270; LIB_UNEVALUATED "Date  : 2011-01-14" at 2655,3270 h25 r270; LIB_UNEVALUATED "Ref PN: AD820BR" at 2735,3270 h25 r270; LIB_UNEVALUATED "Sofer Lib Information" at 2785,3300 h25 r270; LIB_UNEVALUATED "Creat : Yuki" at 2695,3270 h25 r270; LIB_UNEVALUATED "4" at 2275.3,3000 h16 r270; LIB_UNEVALUATED "3" at 2275.3,3050 h16 r270; LIB_UNEVALUATED "8" at 2476.9,3150 h16 r270; LIB_UNEVALUATED "1" at 2275.3,3150 h16 r270; LIB_UNEVALUATED "2" at 2275.3,3100 h16 r270; LIB_UNEVALUATED "6" at 2476.9,3050 h16 r270; LIB_UNEVALUATED "7" at 2476.9,3100 h16 r270; LIB_UNEVALUATED "5" at 2476.9,3000 h16 r270
U2: LIB_UNEVALUATED "9" at 1499,3008 h16; LIB_UNEVALUATED "9" at 1795,2770 h16; LIB_UNEVALUATED "0.5" at 1538,3054 h16; LIB_UNEVALUATED "Remark: ***" at 1624,3287 h25; LIB_UNEVALUATED "Rev   : B1" at 1624,3327 h25; LIB_UNEVALUATED "Date  : 2007-11-27" at 1624,3367 h25; LIB_UNEVALUATED "Creat : Yuki" at 1624,3407 h25; LIB_UNEVALUATED "Ref PN: RTL8211CL-GR" at 1624,3447 h25; LIB_UNEVALUATED "Sofer Lib Information" at 1594,3497 h25; LIB_UNEVALUATED "Approved" at 1683,3025 h35; LIB_UNEVALUATED "LQFP48_0R5_9X9" at 1628,2706 h30; LIB_UNEVALUATED "7" at 1617.34,3015.16 h16; LIB_UNEVALUATED "6" at 1617.34,3034.84 h16; LIB_UNEVALUATED "5" at 1617.34,3054.53 h16; LIB_UNEVALUATED "30" at 1953.46,3015.16 h16; LIB_UNEVALUATED "10" at 1610.94,2956.1 h16; LIB_UNEVALUATED "35" at 1953.46,3113.58 h16; LIB_UNEVALUATED "47" at 1693.62,3196.26 h16; LIB_UNEVALUATED "8" at 1617.34,2995.47 h16; LIB_UNEVALUATED "23" at 1870.78,2853.74 h16; LIB_UNEVALUATED "20" at 1811.73,2853.74 h16; LIB_UNEVALUATED "38" at 1870.78,3196.26 h16; LIB_UNEVALUATED "28" at 1953.46,2975.79 h16; LIB_UNEVALUATED "44" at 1752.67,3196.26 h16; LIB_UNEVALUATED "3" at 1617.34,3093.9 h16; LIB_UNEVALUATED "29" at 1953.46,2995.47 h16; LIB_UNEVALUATED "22" at 1851.1,2853.74 h16; LIB_UNEVALUATED "40" at 1831.41,3196.26 h16; LIB_UNEVALUATED "21" at 1831.41,2853.74 h16; LIB_UNEVALUATED "41" at 1811.73,3196.26 h16; LIB_UNEVALUATED "42" at 1792.04,3196.26 h16; LIB_UNEVALUATED "19" at 1792.04,2853.74 h16; LIB_UNEVALUATED "43" at 1772.36,3196.26 h16; LIB_UNEVALUATED "17" at 1752.67,2853.74 h16; LIB_UNEVALUATED "45" at 1732.99,3196.26 h16; LIB_UNEVALUATED "16" at 1732.99,2853.74 h16; LIB_UNEVALUATED "46" at 1713.3,3196.26 h16; LIB_UNEVALUATED "14" at 1693.62,2853.74 h16; LIB_UNEVALUATED "4" at 1617.34,3074.21 h16; LIB_UNEVALUATED "11" at 1610.94,2936.42 h16; LIB_UNEVALUATED "33" at 1953.46,3074.21 h16; LIB_UNEVALUATED "32" at 1953.46,3054.53 h16; LIB_UNEVALUATED "31" at 1953.46,3034.84 h16; LIB_UNEVALUATED "25" at 1953.46,2916.73 h16; LIB_UNEVALUATED "18" at 1772.36,2853.74 h16; LIB_UNEVALUATED "27" at 1953.46,2956.1 h16; LIB_UNEVALUATED "15" at 1713.3,2853.74 h16; LIB_UNEVALUATED "26" at 1953.46,2936.42 h16; LIB_UNEVALUATED "34" at 1953.46,3093.9 h16; LIB_UNEVALUATED "37" at 1890.47,3196.26 h16; LIB_UNEVALUATED "12" at 1610.94,2916.73 h16; LIB_UNEVALUATED "13" at 1673.93,2853.74 h16; LIB_UNEVALUATED "39" at 1851.1,3196.26 h16; LIB_UNEVALUATED "48" at 1673.93,3196.26 h16; LIB_UNEVALUATED "36" at 1953.46,3133.27 h16; LIB_UNEVALUATED "1" at 1617.34,3133.27 h16; LIB_UNEVALUATED "24" at 1890.47,2853.74 h16; LIB_UNEVALUATED "9" at 1617.34,2975.79 h16; LIB_UNEVALUATED "2" at 1617.34,3113.58 h16; Top Overlay "12" at 1580,2880 h25; Top Overlay "13" at 1681.43,2791.98 h25; Top Overlay "24" at 1920,2815 h25; Top Overlay "25" at 1945,2875 h25; Top Overlay "36" at 1955,3150 h25; Top Overlay "37" at 1945,3185 h25 r90; Top Overlay "48" at 1630,3200 h25
U3: LIB_UNEVALUATED "2" at 2520.84,2895 h16 r90; LIB_UNEVALUATED "5" at 2431.36,2862.6 h16 r90; LIB_UNEVALUATED "4" at 2431.36,2937.4 h16 r90; LIB_UNEVALUATED "3" at 2520.84,2932.4 h16 r90; LIB_UNEVALUATED "1" at 2520.84,2857.6 h16 r90
U4: LIB_UNEVALUATED "OK" at 2467,2700 h35 r180; LIB_UNEVALUATED "DFN6_0R95_3X3" at 2309,2875 h30 r180; LIB_UNEVALUATED "Remark: D043-012B" at 2621,2578 h25 r180; LIB_UNEVALUATED "Rev   : A1" at 2621,2538 h25 r180; LIB_UNEVALUATED "Date  : 2011-02-15" at 2621,2498 h25 r180; LIB_UNEVALUATED "Creat : Yuki" at 2621,2458 h25 r180; LIB_UNEVALUATED "Ref PN: NCP1599MNTWG" at 2621,2418 h25 r180; LIB_UNEVALUATED "Sofer Lib Information" at 2651,2368 h25 r180; LIB_UNEVALUATED "2" at 2488.6,2756.52 h16 r180; LIB_UNEVALUATED "7" at 2488.6,2700 h16 r180; LIB_UNEVALUATED "3" at 2451.2,2756.52 h16 r180; LIB_UNEVALUATED "5" at 2488.6,2643.48 h16 r180; LIB_UNEVALUATED "6" at 2526,2643.48 h16 r180; LIB_UNEVALUATED "1" at 2526,2756.52 h16 r180; LIB_UNEVALUATED "4" at 2451.2,2643.48 h16 r180
U5: LIB_UNEVALUATED "8" at 1624,2567 h16; LIB_UNEVALUATED "6" at 1459,2327 h16; LIB_UNEVALUATED "1.27" at 1436,2367 h16; LIB_UNEVALUATED "NO" at 1432,2595 h35; LIB_UNEVALUATED "Remark: D031-019A2" at 1274,2857 h25; LIB_UNEVALUATED "Rev   : A1" at 1274,2897 h25; LIB_UNEVALUATED "Date  : 2016-02-17" at 1274,2937 h25; LIB_UNEVALUATED "Creat : Ziv" at 1274,2977 h25; LIB_UNEVALUATED "Ref PN: MX25L51245G" at 1274,3017 h25; LIB_UNEVALUATED "Sofer Lib Information" at 1244,3067 h25; LIB_UNEVALUATED "SON8_1R27_6X8" at 1319,2235 h30; LIB_UNEVALUATED "4" at 1528.6,2441.46 h16 r90; LIB_UNEVALUATED "6" at 1478.6,2748.54 h16 r90; LIB_UNEVALUATED "5" at 1528.6,2748.54 h16 r90; LIB_UNEVALUATED "2" at 1428.6,2441.46 h16 r90; LIB_UNEVALUATED "3" at 1478.6,2441.46 h16 r90; LIB_UNEVALUATED "7" at 1428.6,2748.54 h16 r90; LIB_UNEVALUATED "1" at 1378.6,2441.46 h16 r90; LIB_UNEVALUATED "8" at 1378.6,2748.54 h16 r90; LIB_UNEVALUATED "9" at 1442.2,2600 h16 r180; Top Overlay "8" at 1340,2770 h25; Top Overlay "5" at 1585,2760 h25 r90; Top Overlay "4" at 1550,2390 h25
U6: LIB_UNEVALUATED "9" at 1197.2,2598.3 h16 r180; LIB_UNEVALUATED "8" at 1133.6,2746.84 h16 r90; LIB_UNEVALUATED "1" at 1133.6,2439.76 h16 r90; LIB_UNEVALUATED "7" at 1183.6,2746.84 h16 r90; LIB_UNEVALUATED "3" at 1233.6,2439.76 h16 r90; LIB_UNEVALUATED "2" at 1183.6,2439.76 h16 r90; LIB_UNEVALUATED "5" at 1283.6,2746.84 h16 r90; LIB_UNEVALUATED "6" at 1233.6,2746.84 h16 r90; LIB_UNEVALUATED "4" at 1283.6,2439.76 h16 r90; LIB_UNEVALUATED "DFN8_1R27_6X8" at 1074,2233.3 h30; LIB_UNEVALUATED "Sofer Lib Information" at 999,3065.3 h25; LIB_UNEVALUATED "Ref PN: S25FL128P" at 1029,3015.3 h25; LIB_UNEVALUATED "Creat : Yuki" at 1029,2975.3 h25; LIB_UNEVALUATED "Date  : 2011-02-14" at 1029,2935.3 h25; LIB_UNEVALUATED "Rev   : A1" at 1029,2895.3 h25; LIB_UNEVALUATED "Remark: D028-018A1" at 1029,2855.3 h25; LIB_UNEVALUATED "OK" at 1187,2578.3 h35; LIB_UNEVALUATED "1.27" at 1191,2365.3 h16; LIB_UNEVALUATED "6" at 1214,2325.3 h16; LIB_UNEVALUATED "8" at 1379,2565.3 h16; Top Overlay "4" at 1310,2405 h25; Top Overlay "5" at 1310,2770 h25; Top Overlay "8" at 1100,2765 h25; ASSEMBLY_TOP "N25Q512A13GF840E (MICRON)" at 920,2233.3 h30
U7: LIB_UNEVALUATED "D5" at 585.71,2340 h11.81 r90; LIB_UNEVALUATED "D4" at 585.71,2320.31 h11.81 r90; LIB_UNEVALUATED "G2" at 644.76,2280.94 h11.81 r90; LIB_UNEVALUATED "H1" at 664.45,2261.26 h11.81 r90; LIB_UNEVALUATED "F3" at 625.08,2300.63 h11.81 r90; LIB_UNEVALUATED "A2" at 526.65,2280.94 h11.81 r90; LIB_UNEVALUATED "B1" at 546.34,2261.26 h11.81 r90; LIB_UNEVALUATED "B3" at 546.34,2300.63 h11.81 r90; LIB_UNEVALUATED "C3" at 566.02,2300.63 h11.81 r90; LIB_UNEVALUATED "G6" at 644.76,2359.69 h11.81 r90; LIB_UNEVALUATED "H6" at 664.45,2359.69 h11.81 r90; LIB_UNEVALUATED "D7" at 585.71,2379.37 h11.81 r90; LIB_UNEVALUATED "G7" at 644.76,2379.37 h11.81 r90; LIB_UNEVALUATED "G8" at 644.76,2399.06 h11.81 r90; LIB_UNEVALUATED "H8" at 664.45,2399.06 h11.81 r90; LIB_UNEVALUATED "E6" at 605.39,2359.69 h11.81 r90; LIB_UNEVALUATED "D9" at 585.71,2418.74 h11.81 r90; LIB_UNEVALUATED "C9" at 566.02,2418.74 h11.81 r90; LIB_UNEVALUATED "B7" at 546.34,2379.37 h11.81 r90; LIB_UNEVALUATED "D2" at 585.71,2280.94 h11.81 r90; LIB_UNEVALUATED "C2" at 566.02,2280.94 h11.81 r90; LIB_UNEVALUATED "B2" at 546.34,2280.94 h11.81 r90; LIB_UNEVALUATED "E9" at 605.39,2418.74 h11.81 r90; LIB_UNEVALUATED "D8" at 585.71,2399.06 h11.81 r90; LIB_UNEVALUATED "D1" at 585.71,2261.26 h11.81 r90; LIB_UNEVALUATED "G9" at 644.76,2418.74 h11.81 r90; LIB_UNEVALUATED "C6" at 566.02,2359.69 h11.81 r90; LIB_UNEVALUATED "B9" at 546.34,2418.74 h11.81 r90; LIB_UNEVALUATED "A9" at 526.65,2418.74 h11.81 r90; LIB_UNEVALUATED "A7" at 526.65,2379.37 h11.81 r90; LIB_UNEVALUATED "B6" at 546.34,2359.69 h11.81 r90; LIB_UNEVALUATED "F2" at 625.08,2280.94 h11.81 r90; LIB_UNEVALUATED "E4" at 605.39,2320.31 h11.81 r90; LIB_UNEVALUATED "G1" at 644.76,2261.26 h11.81 r90; LIB_UNEVALUATED "D3" at 585.71,2300.63 h11.81 r90; LIB_UNEVALUATED "G3" at 644.76,2300.63 h11.81 r90; LIB_UNEVALUATED "E3" at 605.39,2300.63 h11.81 r90; LIB_UNEVALUATED "E1" at 605.39,2261.26 h11.81 r90; LIB_UNEVALUATED "H3" at 664.45,2300.63 h11.81 r90; LIB_UNEVALUATED "H2" at 664.45,2280.94 h11.81 r90; LIB_UNEVALUATED "H4" at 664.45,2320.31 h11.81 r90; LIB_UNEVALUATED "G4" at 644.76,2320.31 h11.81 r90; LIB_UNEVALUATED "F4" at 625.08,2320.31 h11.81 r90; LIB_UNEVALUATED "C4" at 566.02,2320.31 h11.81 r90; LIB_UNEVALUATED "B4" at 546.34,2320.31 h11.81 r90; LIB_UNEVALUATED "H5" at 664.45,2340 h11.81 r90; LIB_UNEVALUATED "F6" at 625.08,2359.69 h11.81 r90; LIB_UNEVALUATED "F5" at 625.08,2340 h11.81 r90; LIB_UNEVALUATED "E5" at 605.39,2340 h11.81 r90; LIB_UNEVALUATED "C5" at 566.02,2340 h11.81 r90; LIB_UNEVALUATED "B5" at 546.34,2340 h11.81 r90; LIB_UNEVALUATED "A6" at 526.65,2359.69 h11.81 r90; LIB_UNEVALUATED "C7" at 566.02,2379.37 h11.81 r90; LIB_UNEVALUATED "F9" at 625.08,2418.74 h11.81 r90; LIB_UNEVALUATED "F8" at 625.08,2399.06 h11.81 r90; LIB_UNEVALUATED "C8" at 566.02,2399.06 h11.81 r90; LIB_UNEVALUATED "B8" at 546.34,2399.06 h11.81 r90; LIB_UNEVALUATED "A8" at 526.65,2399.06 h11.81 r90; LIB_UNEVALUATED "H7" at 664.45,2379.37 h11.81 r90; LIB_UNEVALUATED "F1" at 625.08,2261.26 h11.81 r90; LIB_UNEVALUATED "C1" at 566.02,2261.26 h11.81 r90; LIB_UNEVALUATED "A1" at 526.65,2261.26 h11.81 r90; LIB_UNEVALUATED "A4" at 526.65,2320.31 h11.81 r90; LIB_UNEVALUATED "E2" at 605.39,2280.94 h11.81 r90; LIB_UNEVALUATED "A5" at 526.65,2340 h11.81 r90; LIB_UNEVALUATED "E7" at 605.39,2379.37 h11.81 r90; LIB_UNEVALUATED "E8" at 605.39,2399.06 h11.81 r90; LIB_UNEVALUATED "G5" at 644.76,2340 h11.81 r90; LIB_UNEVALUATED "H9" at 664.45,2418.74 h11.81 r90; LIB_UNEVALUATED "D6" at 585.71,2359.69 h11.81 r90; LIB_UNEVALUATED "F7" at 625.08,2379.37 h11.81 r90; LIB_UNEVALUATED "A3" at 526.65,2300.63 h11.81 r90; LIB_UNEVALUATED "Sofer Lib Information" at 243,2114 h25 r90; LIB_UNEVALUATED "Ref PN: WM8994 WCSP72" at 293,2144 h25 r90; LIB_UNEVALUATED "Creat : Yuki" at 333,2144 h25 r90; LIB_UNEVALUATED "Date  : 2011-07-18" at 373,2144 h25 r90; LIB_UNEVALUATED "Rev   : A1" at 413,2144 h25 r90; LIB_UNEVALUATED "Remark: D056-006A1" at 453,2144 h25 r90; LIB_UNEVALUATED "BGA72_0R5_4R5X4" at 595,2365 h30 r90; LIB_UNEVALUATED "OK" at 577,2340 h35 r90; Top Overlay "1" at 495,2250 h25; Top Overlay "9" at 495,2415 h25; Top Overlay "A" at 520,2215 h25; Top Overlay "H" at 660,2210 h25; ASSEMBLY_TOP "WM8994ECS_R" at 643,2345 h30 r90